# Altium PCB BalanceCar.PcbDoc (part 2 of 3)
Units mil, origin at the board's own origin, x right, y up, seen from the top; angles counter-clockwise.
Board outline 3810.03 x 2355.03 mil, 2 copper layers (Top Layer, Bottom Layer); 118 components, 87 nets, 429 pads, 218 vias.
Unrouted connection lines stored in the file: 3.
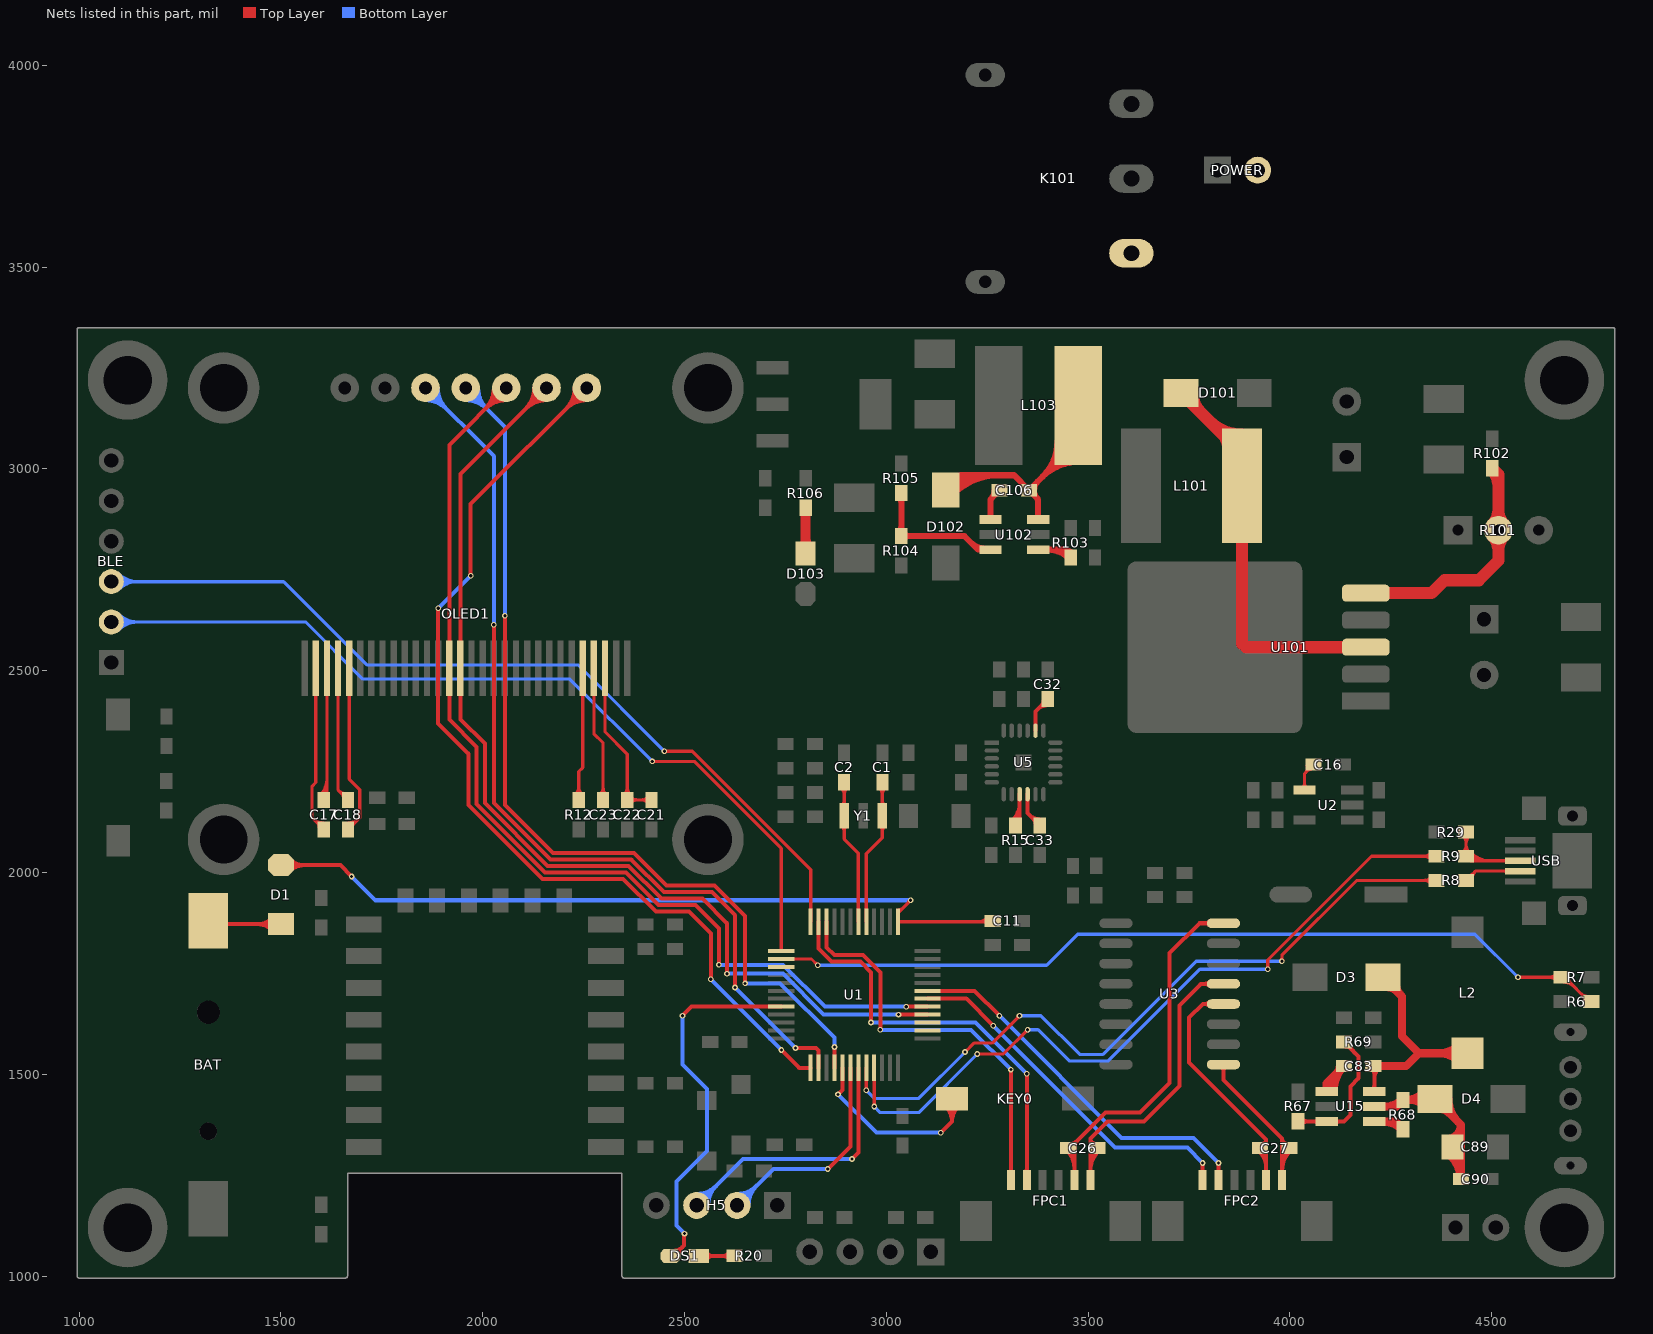
[diagram p2: the nets of this part, all layers, seen from the top]

## Via types
v1: diameter 14, hole 8, Top Layer to Bottom Layer, 171 vias
v2: diameter 28, hole 16, Top Layer to Bottom Layer, 44 vias
v3: diameter 38, hole 15, Top Layer to Bottom Layer, 1 vias
v4: diameter 56, hole 28, Top Layer to Bottom Layer, 1 vias
v5: diameter 26, hole 16, Top Layer to Bottom Layer, 1 vias

## Nets (pads, with @x,y where several pads share a name; then routed paths per layer and width w, separated by ;. In a path a pad name is that pad's centre, name@x,y a point inside that pad or via, vN(x,y) a via of type N, cw(c..) or ccw(c..) an arc to the next point about the centre after c; other vN are vias at no path point) (continued)
NetBAT_1: BAT.1 D1.1 | length 429.4
  Top Layer w10: BAT.1@1328.03,1871.97 D1.1@1500,1871.97 ; 1442.04,1871.97 cw(c1442.04,1818.93) 1479.54,1856.43 ccw(c1442.04,1818.93) 1442.04,1871.97 ; 1442.04,1871.97 ccw(c1442.04,1925.01) 1479.54,1887.5 cw(c1442.04,1925.01) 1442.04,1871.97 ; 1466.18,1871.97 cw(c1466.18,1843.07) 1486.62,1863.51 ccw(c1466.18,1843.07) 1466.18,1871.97 ; 1466.18,1871.97 ccw(c1466.18,1900.86) 1486.62,1880.43 cw(c1466.18,1900.86) 1466.18,1871.97
NetC11_1: C11.1 D1.2 U1.1 | length 2282.6
  Top Layer w8: v1(3060,1931) 3029,1900 U1.1@3029,1878 C11.1@3261.5,1878 ; 3054.88,1925.88 cw(c3060,1920.76) 3060,1928 ccw(c3060,1920.76) 3054.88,1925.88 ; 3054.88,1925.88 ccw(c3049.76,1931) 3057,1931 cw(c3049.76,1931) 3054.88,1925.88 ; U1.1@3029,1906.5 ccw(c3029,1922.19) 3040.1,1911.1 cw(c3029,1922.19) U1.1@3029,1906.5 ; 3227.12,1878 ccw(c3227.12,1911.38) 3250.72,1887.78 cw(c3227.12,1911.38) 3227.12,1878 ; 3236.77,1878 cw(c3236.77,1858.27) 3250.72,1872.22 ccw(c3236.77,1858.27) 3236.77,1878
  Top Layer w10: D1.2@1500,2018.03 1646.97,2018.03 v1(1675,1990) ; 1533.82,2018.03 cw(c1533.82,2046.93) 1513.38,2026.49 ccw(c1533.82,2046.93) 1533.82,2018.03 ; 1533.82,2018.03 ccw(c1533.82,1989.14) 1513.38,2009.57 cw(c1533.82,1989.14) 1533.82,2018.03 ; 1557.96,2018.03 cw(c1557.96,2071.07) 1520.46,2033.57 ccw(c1557.96,2071.07) 1557.96,2018.03 ; 1557.96,2018.03 ccw(c1557.96,1964.99) 1520.46,2002.5 cw(c1557.96,1964.99) 1557.96,2018.03
  Bottom Layer w10: v1(1675,1990) 1734,1931 v1(3060,1931)
NetC16_2: C16.2 U2.4 | length 183.5
  Top Layer w8: U2.4@4035.94,2204.4 4035.94,2244.44 C16.2@4058.5,2267 ; 4035.94,2220.88 cw(c4019.46,2220.88) 4031.12,2209.23 ccw(c4019.46,2220.88) 4035.94,2220.88 ; 4035.94,2220.88 ccw(c4052.43,2220.88) 4040.77,2209.23 cw(c4052.43,2220.88) 4035.94,2220.88 ; 4038.45,2246.95 ccw(c4026.09,2259.3) 4042.91,2264.02 cw(c4026.09,2259.3) 4038.45,2246.95 ; 4043.26,2251.76 cw(c4053.5,2241.51) 4053.5,2256 ccw(c4053.5,2241.51) 4043.26,2251.76
NetC17_1: C17.1 OLED1.3 | length 485.9
  Top Layer w8: C17.1@1613.91,2187.41 OLED1.3@1613.91,2506 ; 1613.91,2435.62 cw(c1623.26,2435.62) 1616.64,2442.24 ccw(c1623.26,2435.62) 1613.91,2435.62 ; 1613.91,2435.62 ccw(c1604.55,2435.62) 1611.17,2442.24 cw(c1604.55,2435.62) 1613.91,2435.62 ; C17.1@1598.22,2192.28 ccw(c1560.36,2230.14) 1613.91,2230.14 cw(c1560.36,2230.14) C17.1@1598.22,2192.28 ; C17.1@1603.88,2186.62 ccw(c1579.67,2210.83) 1613.91,2210.83 cw(c1579.67,2210.83) C17.1@1603.88,2186.62
NetC17_2: C17.2 OLED1.2 | length 554.9
  Top Layer w8: OLED1.2@1586.35,2506 1586.35,2222.85 1577,2213.5 1577,2135.5 C17.2@1606,2106.5 ; 1586.35,2435.62 cw(c1595.7,2435.62) 1589.09,2442.24 ccw(c1595.7,2435.62) 1586.35,2435.62 ; 1586.35,2435.62 ccw(c1576.99,2435.62) 1583.61,2442.24 cw(c1576.99,2435.62) 1586.35,2435.62 ; 1579.5,2133 ccw(c1604.88,2158.38) 1605.74,2122.5 cw(c1604.88,2158.38) 1579.5,2133 ; 1590.76,2121.74 cw(c1580.51,2111.5) 1595,2111.5 ccw(c1580.51,2111.5) 1590.76,2121.74 ; C17.2@1592.71,2119.79 ccw(c1605.5,2132.58) 1605.93,2114.5 cw(c1605.5,2132.58) C17.2@1592.71,2119.79
NetC18_1: C18.1 OLED1.5 | length 565.4
  Top Layer w8: C18.1@1666,2106.5 1695,2135.5 1695,2205.3 1669.02,2231.28 OLED1.5@1669.02,2506 ; 1669.02,2435.62 cw(c1678.38,2435.62) 1671.76,2442.24 ccw(c1678.38,2435.62) 1669.02,2435.62 ; 1669.02,2435.62 ccw(c1659.67,2435.62) 1666.28,2442.24 cw(c1659.67,2435.62) 1669.02,2435.62 ; C18.1@1666,2114.5 ccw(c1666,2133.81) 1679.66,2120.16 cw(c1666,2133.81) C18.1@1666,2114.5 ; C18.1@1666,2122.5 ccw(c1666,2161.13) 1693.31,2133.81 cw(c1666,2161.13) C18.1@1666,2122.5 ; C18.1@1677,2111.5 cw(c1691.49,2111.5) 1681.24,2121.74 ccw(c1691.49,2111.5) C18.1@1677,2111.5
NetC18_2: C18.2 OLED1.4 | length 432.4
  Top Layer w8: OLED1.4@1641.46,2506 1641.46,2204.04 C18.2@1666,2179.5 ; 1641.46,2435.62 cw(c1650.82,2435.62) 1644.2,2442.24 ccw(c1650.82,2435.62) 1641.46,2435.62 ; 1641.46,2435.62 ccw(c1632.11,2435.62) 1638.73,2442.24 cw(c1632.11,2435.62) 1641.46,2435.62 ; 1643.97,2201.53 ccw(c1659.89,2217.46) 1663.99,2195.32 cw(c1659.89,2217.46) 1643.97,2201.53 ; 1650.76,2194.74 cw(c1640.51,2184.5) 1655,2184.5 ccw(c1640.51,2184.5) 1650.76,2194.74
NetC21_2: C21.2 C22.2 OLED1.28 | length 689
  Top Layer w8: OLED1.28@2302.88,2506 2302.88,2348.12 2358,2293 C22.2@2358,2179.5 C21.2@2418,2179.5 ; 2302.88,2435.62 cw(c2312.23,2435.62) 2305.62,2442.24 ccw(c2312.23,2435.62) 2302.88,2435.62 ; 2302.88,2435.62 ccw(c2293.53,2435.62) 2300.14,2442.24 cw(c2293.53,2435.62) 2302.88,2435.62 ; 2358,2211.06 cw(c2331.44,2211.06) 2350.22,2192.28 ccw(c2331.44,2211.06) 2358,2211.06 ; 2358,2211.06 ccw(c2384.56,2211.06) 2365.78,2192.28 cw(c2384.56,2211.06) 2358,2211.06 ; 2384.56,2179.5 cw(c2384.56,2206.06) 2365.78,2187.28 ccw(c2384.56,2206.06) 2384.56,2179.5 ; 2384.56,2179.5 ccw(c2384.56,2152.94) 2365.78,2171.72 cw(c2384.56,2152.94) 2384.56,2179.5 ; 2391.44,2179.5 cw(c2391.44,2152.94) 2410.22,2171.72 ccw(c2391.44,2152.94) 2391.44,2179.5 ; 2391.44,2179.5 ccw(c2391.44,2206.06) 2410.22,2187.28 cw(c2391.44,2206.06) 2391.44,2179.5
NetC23_2: C23.2 OLED1.27 | length 448.7
  Top Layer w8: OLED1.27@2275.32,2506 2275.32,2343.68 2298,2321 C23.2@2298,2179.5 ; 2275.32,2435.62 cw(c2284.68,2435.62) 2278.06,2442.24 ccw(c2284.68,2435.62) 2275.32,2435.62 ; 2275.32,2435.62 ccw(c2265.97,2435.62) 2272.58,2442.24 cw(c2265.97,2435.62) 2275.32,2435.62 ; 2298,2211.06 cw(c2271.44,2211.06) 2290.22,2192.28 ccw(c2271.44,2211.06) 2298,2211.06 ; 2298,2211.06 ccw(c2324.56,2211.06) 2305.78,2192.28 cw(c2324.56,2211.06) 2298,2211.06
NetC26_1: C26.1 FPC1.6 U3.13 | length 1090.4
  Top Layer w10: FPC1.6@3505.43,1237.69 3505.43,1340.43 3548,1383 3638,1383 3725.77,1470.77 3725.77,1670.77 3779,1724 U3.13@3835.19,1724 ; 3505.43,1264.14 cw(c3493.73,1264.14) 3502,1255.88 ccw(c3493.73,1264.14) 3505.43,1264.14 ; 3505.43,1264.14 ccw(c3517.12,1264.14) 3508.85,1255.88 cw(c3517.12,1264.14) 3505.43,1264.14 ; C26.1@3518.5,1317 ccw(c3550.07,1285.43) 3505.43,1285.43 cw(c3550.07,1285.43) C26.1@3518.5,1317 ; C26.1@3518.5,1317 cw(c3518.7,1330.27) 3505.43,1330.27 ccw(c3518.7,1330.27) C26.1@3518.5,1317 ; 3789.22,1724 cw(c3789.22,1707.56) 3800.85,1719.18 ccw(c3789.22,1707.56) 3789.22,1724 ; 3789.22,1724 ccw(c3789.22,1740.44) 3800.85,1728.82 cw(c3789.22,1740.44) 3789.22,1724 ; FPC1.6@3505.43,1261.29 cw(c3574.21,1261.29) 3525.57,1309.93 ccw(c3574.21,1261.29) FPC1.6@3505.43,1261.29 ; C26.1@3505.43,1309.58 cw(c3525.92,1309.58) 3511.43,1324.07 ccw(c3525.92,1309.58) C26.1@3505.43,1309.58 ; 3505.43,1340.42 ccw(c3518.85,1340.42) 3518.65,1327 cw(c3518.85,1340.42) 3505.43,1340.42
NetC26_2: C26.2 FPC1.5 U3.16 | length 1189.6
  Top Layer w10: FPC1.5@3466.05,1237.69 3466.05,1328.06 3543,1405 3629,1405 3702,1478 3702,1800 3776,1874 U3.16@3835.19,1874 ; 3466.05,1264.14 cw(c3454.36,1264.14) 3462.63,1255.88 ccw(c3454.36,1264.14) 3466.05,1264.14 ; 3466.06,1264.14 ccw(c3477.75,1264.14) 3469.48,1255.88 cw(c3477.75,1264.14) 3466.06,1264.14 ; 3789.22,1874 cw(c3789.22,1857.56) 3800.85,1869.18 ccw(c3789.22,1857.56) 3789.22,1874 ; 3789.22,1874 ccw(c3789.22,1890.44) 3800.85,1878.82 cw(c3789.22,1890.44) 3789.22,1874 ; C26.2@3448.43,1309.93 cw(c3405.88,1267.38) 3466.05,1267.38 ccw(c3405.88,1267.38) C26.2@3448.43,1309.93 ; C26.2@3455.5,1317 cw(c3430.02,1291.52) 3466.05,1291.52 ccw(c3430.02,1291.52) C26.2@3455.5,1317 ; C26.2@3455.5,1327 ccw(c3455.5,1349.93) 3471.72,1333.72 cw(c3455.5,1349.93) C26.2@3455.5,1327 ; C26.2@3465.5,1317 cw(c3490.85,1317) 3472.92,1334.92 ccw(c3490.85,1317) C26.2@3465.5,1317
NetC27_1: C27.1 FPC2.6 U3.9 | length 728.7
  Top Layer w10: U3.9@3835.19,1524 3835.19,1485.81 3980.43,1340.57 ; FPC2.6@3980.43,1237.69 3980.43,1340.57 ; 3835.19,1507.56 cw(c3851.63,1507.56) 3840.01,1519.18 ccw(c3851.63,1507.56) 3835.19,1507.56 ; 3835.19,1507.56 ccw(c3818.75,1507.56) 3830.37,1519.18 cw(c3818.75,1507.56) 3835.19,1507.56 ; 3980.43,1264.14 cw(c3968.73,1264.14) 3977,1255.88 ccw(c3968.73,1264.14) 3980.43,1264.14 ; 3980.43,1264.14 ccw(c3992.12,1264.14) 3983.85,1255.88 cw(c3992.12,1264.14) 3980.43,1264.14 ; 3980.43,1340.57 ccw(c3994,1340.57) 3993.71,1327 cw(c3994,1340.57) 3980.43,1340.57 ; C27.1@3993.5,1317 ccw(c4025.07,1285.43) 3980.43,1285.43 cw(c4025.07,1285.43) C27.1@3993.5,1317 ; C27.1@3993.5,1317 cw(c3993.79,1330.36) 3980.43,1330.36 ccw(c3993.79,1330.36) C27.1@3993.5,1317 ; FPC2.6@3980.43,1261.29 cw(c4049.21,1261.29) 4000.57,1309.93 ccw(c4049.21,1261.29) FPC2.6@3980.43,1261.29 ; C27.1@3980.43,1309.58 cw(c4000.92,1309.58) 3986.43,1324.07 ccw(c4000.92,1309.58) C27.1@3980.43,1309.58
NetC27_2: C27.2 FPC2.5 U3.12 | length 887.6
  Top Layer w10: U3.12@3835.19,1674 3784,1674 3750,1640 3750,1529 3941.05,1337.94 ; FPC2.5@3941.05,1237.69 3941.05,1337.94 ; 3789.22,1674 cw(c3789.22,1657.56) 3800.85,1669.18 ccw(c3789.22,1657.56) 3789.22,1674 ; 3789.22,1674 ccw(c3789.22,1690.44) 3800.85,1678.82 cw(c3789.22,1690.44) 3789.22,1674 ; C27.2@3930.5,1317 cw(c3905.02,1291.52) 3941.05,1291.52 ccw(c3905.02,1291.52) C27.2@3930.5,1317 ; C27.2@3930.5,1317 ccw(c3930.3,1327.75) 3941.06,1327.75 cw(c3930.3,1327.75) C27.2@3930.5,1317 ; 3941.05,1264.14 cw(c3929.36,1264.14) 3937.63,1255.88 ccw(c3929.36,1264.14) 3941.05,1264.14 ; 3941.06,1264.14 ccw(c3952.75,1264.14) 3944.48,1255.88 cw(c3952.75,1264.14) 3941.06,1264.14 ; 3941.05,1337.94 cw(c3930.11,1337.94) 3930.31,1327 ccw(c3930.11,1337.94) 3941.05,1337.94 ; C27.2@3923.43,1309.93 cw(c3880.88,1267.38) 3941.05,1267.38 ccw(c3880.88,1267.38) C27.2@3923.43,1309.93
NetC32_2: C32.2 U5.20 | length 166.7
  Top Layer w10: U5.20@3369.53,2351.24 3369.53,2399.03 C32.2@3400,2429.5 ; 3374.39,2403.89 cw(c3400,2378.29) 3400,2414.5 ccw(c3400,2378.29) 3374.39,2403.89 ; C32.2@3386.46,2415.96 ccw(c3377.93,2424.5) 3390,2424.5 cw(c3377.93,2424.5) C32.2@3386.46,2415.96
NetC33_2: C33.2 U5.10 | length 165.6
  Top Layer w10: U5.10@3349.84,2193.76 3349.84,2146.66 C33.2@3380,2116.5 ; 3354.39,2142.11 ccw(c3380,2167.71) 3380,2131.5 cw(c3380,2167.71) 3354.39,2142.11 ; C33.2@3366.46,2130.04 cw(c3357.93,2121.5) 3370,2121.5 ccw(c3357.93,2121.5) C33.2@3366.46,2130.04
NetC83_1: C83.1 U15.1 | length 323.4
  Top Layer w20: U15.1@4090.94,1457.4 4090.94,1477.44 C83.1@4133.5,1520 ; C83.1@4133.5,1520 ccw(c4193.91,1459.59) 4108.5,1457.42 cw(c4193.91,1459.59) C83.1@4133.5,1520 ; U15.1@4088.51,1456.92 cw(c4129.63,1457.96) 4100.54,1487.04 ccw(c4129.63,1457.96) U15.1@4088.51,1456.92 ; 4116.43,1502.93 ccw(c4099.36,1520) 4123.5,1520 cw(c4099.36,1520) 4116.43,1502.93
NetC83_2: C83.2 D3.2 L2.2 U15.6 | length 1018.2
  Top Layer w10: C83.2@4206.5,1520 4209.06,1517.44 U15.6@4209.06,1457.4 ; 4209.06,1471.47 cw(c4194.99,1471.47) 4204.94,1461.52 ccw(c4194.99,1471.47) 4209.06,1471.47 ; 4209.06,1471.47 ccw(c4223.12,1471.47) 4213.18,1461.52 cw(c4223.12,1471.47) 4209.06,1471.47 ; C83.2@4204.43,1512.93 cw(c4193.26,1501.76) 4209.06,1501.76 ccw(c4193.26,1501.76) C83.2@4204.43,1512.93 ; 4209.06,1489.96 cw(c4241.54,1489.96) 4218.57,1512.93 ccw(c4241.54,1489.96) 4209.06,1489.96
  Top Layer w20: C83.2@4206.5,1520 4288,1520 4320,1552 ; D3.2@4230.55,1740 4278,1692.55 4278,1594 4320,1552 ; L2.2@4440,1552 4320,1552 ; 4369.09,1552 cw(c4369.09,1481.09) 4419.23,1531.23 ccw(c4369.09,1481.09) 4369.09,1552 ; 4369.09,1552 ccw(c4369.09,1622.91) 4419.23,1572.77 cw(c4369.09,1622.91) 4369.09,1552 ; D3.2@4239.41,1715.55 cw(c4239.41,1677.91) 4266.02,1704.53 ccw(c4239.41,1677.91) D3.2@4239.41,1715.55 ; D3.2@4263.16,1734.19 ccw(c4301.42,1724.84) 4273.57,1696.98 cw(c4301.42,1724.84) D3.2@4263.16,1734.19
NetC89_2: C89.2 C90.2 D4.2 R68.2 U15.5 | length 1281.1
  Top Layer w20: U15.5@4209.06,1420 4263.5,1420 R68.2@4280,1436.5 D4.2@4357.21,1436.5 ; D4.2@4359.45,1438.74 4423.5,1374.69 ; C90.2@4423.5,1240 4423.5,1374.69 ; 4423.5,1374.69 cw(c4387.56,1374.69) 4397.89,1340.26 ccw(c4387.56,1374.69) 4423.5,1374.69 ; U15.5@4236.55,1420 ccw(c4236.55,1475.69) 4275.94,1436.31 cw(c4236.55,1475.69) U15.5@4236.55,1420 ; 4262.93,1419.43 cw(c4280,1402.36) 4280,1426.5 ccw(c4280,1402.36) 4262.93,1419.43 ; R68.2@4286.16,1436.5 ccw(c4286.16,1503.17) 4333.3,1456.03 cw(c4286.16,1503.17) R68.2@4286.16,1436.5 ; 4296.97,1436.5 cw(c4296.97,1385.12) 4333.3,1421.45 ccw(c4296.97,1385.12) 4296.97,1436.5 ; D4.2@4368.31,1414.29 cw(c4368.31,1376.65) 4394.92,1403.27 ccw(c4368.31,1376.65) D4.2@4368.31,1414.29 ; C89.2@4391.98,1302.83 cw(c4339.57,1237.28) 4423.5,1237.28 ccw(c4339.57,1237.28) C89.2@4391.98,1302.83 ; D4.2@4392.76,1438.74 ccw(c4473.17,1438.74) 4416.31,1381.88 cw(c4473.17,1438.74) D4.2@4392.76,1438.74 ; C89.2@4403.63,1321.11 ccw(c4395.62,1347.81) 4423.5,1347.81 cw(c4395.62,1347.81) C89.2@4403.63,1321.11 ; C89.2@4404.47,1318.45 cw(c4372.83,1278.88) 4423.5,1278.88 ccw(c4372.83,1278.88) C89.2@4404.47,1318.45
NetC106_1: C106.1 U102.1 | length 103.6
  Top Layer w15: U102.1@3257.94,2874.4 3257.94,2924.44 C106.1@3280.5,2947 ; 3260.45,2926.95 ccw(c3242.1,2945.29) C106.1@3268.01,2946.62
NetC106_2: C106.2 D102.2 L103.1 U102.6 | length 1238.7
  Top Layer w15: D102.2@3144.84,2958.57 cw(c3206.24,2897.17) 3206.24,2984 ; D102.2@3147,2947.55 3183.45,2984 ; D102.2@3155.45,2947.96 cw(c3242.46,2860.95) 3242.46,2984 ; D102.2@3159.45,2980.31 ccw(c3168.93,2998.51) 3183.45,2984 ; D102.2@3166.06,2937.35 cw(c3278.67,2824.74) 3278.67,2984 ; D102.2@3173.88,2958.34 cw(c3206.75,2960.7) 3183.45,2984 ; 3332.16,2968.34 cw(c3310.82,2947) C106.2@3341,2947 ; C106.2@3365.99,2946.62 ccw(c3391.9,2945.29) 3373.55,2926.95 ; C106.2@3366,2947 cw(c3396.18,2947) 3374.84,2968.34 ; U102.6@3376.06,2874.4 3376.06,2924.44 C106.2@3353.5,2947 ; 3386.55,2980.05 cw(c3475.43,2891.17) L103.1@3475.43,3016.86 ; 3387.77,2981.27 ccw(c3300.63,3068.42) L103.1@3423.87,3068.42 ; 3412.15,3005.65 cw(c3475.43,2942.38) L103.1@3475.43,3031.86 ; 3413.38,3006.88 ccw(c3351.84,3068.42) L103.1@3438.87,3068.42 ; L103.1@3475.43,3068.93 C106.2@3353.5,2947 ; 3183.45,2984 3316.5,2984 C106.2@3353.5,2947
NetD101_1: D101.1 L101.1 U101.3 | length 1085.3
  Top Layer w30: D101.1@3730.45,3188 L101.1@3881,3037.45 ; D101.1@3758.76,3188 ccw(c3827.1,3188) 3778.77,3139.68 ; 3800.28,3118.17 ccw(c3881,3198.88) L101.1@3881,3084.73 ; L101.1@3831.84,3086.61 cw(c3795.75,3050.52) L101.1@3846.79,3050.52 ; 3881,2566 L101.1@3881,2958 ; 3891,2558 U101.3@4188.01,2558
NetD103_1: D103.1 R106.2 | length 208.3
  Top Layer w25: D103.1@2800,2790 R106.2@2800,2903.5 ; 2800,2825.18 cw(c2769.82,2825.18) 2791.16,2803.84 ccw(c2769.82,2825.18) 2800,2825.18 ; 2800,2825.18 ccw(c2830.18,2825.18) 2808.84,2803.84 cw(c2830.18,2825.18) 2800,2825.18
NetDS1_1: DS1.1 R20.2 | length 264.6
  Top Layer w10: DS1.1@2535,1049.74 R20.2@2623.24,1049.74 ; 2572.67,1049.74 cw(c2572.67,1079.92) 2551.33,1058.58 ccw(c2572.67,1079.92) 2572.67,1049.74 ; 2572.67,1049.74 ccw(c2572.67,1019.56) 2551.33,1040.9 cw(c2572.67,1019.56) 2572.67,1049.74 ; 2592.67,1049.74 ccw(c2592.67,1076.57) 2611.65,1057.6 cw(c2592.67,1076.57) 2592.67,1049.74 ; 2593.93,1049.74 cw(c2593.93,1024.68) 2611.65,1042.4 ccw(c2593.93,1024.68) 2593.93,1049.74
NetK101_1: K101.1 POWER.2
NetOLED1_26: OLED1.26 R12.2 | length 449
  Top Layer w8: R12.2@2238,2179.5 2238,2250 2247.76,2259.76 OLED1.26@2247.76,2506 ; 2238,2212.11 cw(c2209.64,2212.11) 2229.69,2192.06 ccw(c2209.64,2212.11) 2238,2212.11 ; 2238,2212.11 ccw(c2266.36,2212.11) 2246.31,2192.06 cw(c2266.36,2212.11) 2238,2212.11 ; 2247.76,2435.62 cw(c2257.12,2435.62) 2250.5,2442.24 ccw(c2257.12,2435.62) 2247.76,2435.62 ; 2247.76,2435.62 ccw(c2238.41,2435.62) 2245.02,2442.24 cw(c2238.41,2435.62) 2247.76,2435.62
NetR8_1: R8.1 USB.2 | length 248.8
  Top Layer w8: R8.1@4436.5,1980 4459.69,2003.19 ; USB.2@4570.65,2003.19 4459.69,2003.19 ; 4459.69,2003.19 ccw(c4477.86,1985.02) 4452.39,1981.57 cw(c4477.86,1985.02) 4459.69,2003.19 ; 4531.77,2003.19 cw(c4531.77,1993.84) 4538.38,2000.45 ccw(c4531.77,1993.84) 4531.77,2003.19 ; 4531.77,2003.19 ccw(c4531.77,2012.54) 4538.38,2005.93 cw(c4531.77,2012.54) 4531.77,2003.19 ; R8.1@4440.75,1991.75 ccw(c4440.75,2009.84) 4453.55,1997.05 cw(c4440.75,2009.84) R8.1@4440.75,1991.75
NetR9_1: R9.1 R29.2 USB.3 | length 629.5
  Top Layer w8: R29.2@4436.5,2100 R9.1@4436.5,2040 4447.72,2028.78 USB.3@4570.65,2028.78 ; 4436.5,2068.36 cw(c4408.14,2068.36) 4428.19,2048.31 ccw(c4408.14,2068.36) 4436.5,2068.36 ; 4436.5,2068.36 ccw(c4464.86,2068.36) 4444.81,2048.31 cw(c4464.86,2068.36) 4436.5,2068.36 ; 4436.5,2071.64 cw(c4464.86,2071.64) 4444.81,2091.69 ccw(c4464.86,2071.64) 4436.5,2071.64 ; 4436.5,2071.64 ccw(c4408.14,2071.64) 4428.19,2091.69 cw(c4408.14,2071.64) 4436.5,2071.64 ; 4531.77,2028.78 cw(c4531.77,2019.43) 4538.38,2026.04 ccw(c4531.77,2019.43) 4531.77,2028.78 ; 4531.77,2028.78 ccw(c4531.77,2038.13) 4538.38,2031.52 cw(c4531.77,2038.13) 4531.77,2028.78 ; R9.1@4437.75,2036.99 ccw(c4457.57,2056.82) 4457.57,2028.78 cw(c4457.57,2056.82) R9.1@4437.75,2036.99 ; R9.1@4443.4,2042.65 ccw(c4476.89,2076.14) 4476.89,2028.78 cw(c4476.89,2076.14) R9.1@4443.4,2042.65 ; R9.1@4449.06,2048.31 ccw(c4496.2,2095.45) 4496.2,2028.78 cw(c4496.2,2095.45) R9.1@4449.06,2048.31
NetR15_1: R15.1 U5.9 | length 219.6
  Top Layer w10: R15.1@3330.16,2126.66 U5.9@3330.16,2193.76 ; R15.1@3312.4,2128.35 ccw(c3269.53,2171.22) 3330.16,2171.22 cw(c3269.53,2171.22) R15.1@3312.4,2128.35 ; R15.1@3319.47,2121.28 ccw(c3293.67,2147.08) 3330.16,2147.08 cw(c3293.67,2147.08) R15.1@3319.47,2121.28
NetR67_1: R67.1 R69.2 U15.3 | length 596.1
  Top Layer w10: R67.1@4016.5,1382.6 U15.3@4090.94,1382.6 4133.6,1382.6 4150,1399 4150,1470 4170,1490 4170,1543.5 R69.2@4133.5,1580 ; 4060.14,1382.6 cw(c4060.14,1368.53) 4070.09,1378.48 ccw(c4060.14,1368.53) 4060.14,1382.6 ; 4060.15,1382.6 ccw(c4060.15,1396.66) 4070.09,1386.72 cw(c4060.15,1396.66) 4060.15,1382.6 ; 4121.74,1382.6 cw(c4121.74,1396.67) 4111.8,1386.72 ccw(c4121.74,1396.67) 4121.74,1382.6 ; 4121.74,1382.6 ccw(c4121.74,1368.53) 4111.8,1378.48 cw(c4121.74,1368.53) 4121.74,1382.6 ; R67.1@4027.6,1375.9 cw(c4043.77,1359.73) 4043.77,1382.6 ccw(c4043.77,1359.73) R67.1@4027.6,1375.9 ; R67.1@4027.6,1391.1 ccw(c4048.12,1411.62) 4048.12,1382.6 cw(c4048.12,1411.62) R67.1@4027.6,1391.1 ; R69.2@4137.75,1569.25 cw(c4137.75,1553.57) 4148.84,1564.66 ccw(c4137.75,1553.57) R69.2@4137.75,1569.25 ; R69.2@4148.5,1580 ccw(c4184.71,1580) 4159.11,1554.39 cw(c4184.71,1580) R69.2@4148.5,1580
NetR68_1: R68.1 U15.4 | length 217.9
  Top Layer w20: U15.4@4209.06,1382.6 4260.9,1382.6 R68.1@4280,1363.5 ; U15.4@4230.28,1382.6 cw(c4230.28,1318.03) 4275.94,1363.69 ccw(c4230.28,1318.03) U15.4@4230.28,1382.6 ; 4263.03,1380.47 ccw(c4279.86,1397.3) 4279.97,1373.5 cw(c4279.86,1397.3) 4263.03,1380.47
NetR101_2: R101.2 R102.1 U101.5 | length 794.7
  Top Layer w30: U101.5@4188.01,2691.86 4350.86,2691.86 4383,2724 4468,2724 4516.35,2772.35 R101.2@4516.35,2848 4516.35,2986.15 R102.1@4501,3001.5 ; R102.1@4500.47,2996.72 cw(c4462.14,2958.39) 4516.35,2958.39 ; R101.2@4501.9,2833.55 cw(c4467.02,2798.67) 4516.35,2798.67 cw(c4565.68,2798.67) R101.2@4530.79,2833.55 ; R101.2@4501.9,2862.45 ccw(c4467.02,2897.33) 4516.35,2897.33 ccw(c4565.68,2897.33) R101.2@4530.79,2862.45
NetR103_1: R103.1 U102.4 | length 204.7
  Top Layer w15: U102.4@3376.06,2799.6 3437.9,2799.6 R103.1@3457,2780.5 ; U102.4@3401.24,2799.6 cw(c3401.24,2729) R103.1@3451.17,2778.92 ; 3437.46,2799.6 cw(c3437.46,2765.21) R103.1@3461.77,2789.53 ; 3440.03,2797.47 ccw(c3452.02,2809.47) 3455.37,2792.84 cw(c3452.02,2809.47) 3440.03,2797.47
NetR104_1: R104.1 R105.2 U102.3 | length 594.6
  Top Layer w15: R105.2@3037,2940.5 R104.1@3037,2833.5 3193.5,2833.5 3227.4,2799.6 U102.3@3257.94,2799.6 ; 3037,2857.66 cw(c3017.09,2857.66) 3031.17,2843.58 ccw(c3017.09,2857.66) 3037,2857.66 ; 3037,2857.66 ccw(c3056.91,2857.66) 3042.83,2843.58 cw(c3056.91,2857.66) 3037,2857.66 ; 3037,2916.34 cw(c3056.91,2916.34) 3042.83,2930.42 ccw(c3056.91,2916.34) 3037,2916.34 ; 3037,2916.34 ccw(c3017.09,2916.34) 3031.17,2930.42 cw(c3017.09,2916.34) 3037,2916.34 ; 3056.91,2833.5 cw(c3056.91,2853.41) 3042.83,2839.33 ccw(c3056.91,2853.41) 3056.91,2833.5 ; 3056.91,2833.5 ccw(c3056.91,2813.59) 3042.83,2827.67 cw(c3056.91,2813.59) 3056.91,2833.5 ; 3211.96,2815.04 ccw(c3241.21,2844.3) 3241.21,2802.93 cw(c3241.21,2844.3) 3211.96,2815.04
OLED_CS: OLED1.13@2258,3200.45 U1.25 | length 2787.4
  Top Layer w10: v1(1889.5,2654.5) 1889.5,2369.5 1965,2294 1965,2166.49 2147.49,1984 2348,1984 2429,1903 2511,1903 2565,1849 v1(2565,1735) ; v1(1970,2735) 1970,2912.45 OLED1.13@2258,3200.45 ; v1(2740,1560) 2784.2,1515.8 U1.25@2812.46,1515.8 ; 2206.05,3148.5 cw(c2258,3096.54) 2258,3170.02 ccw(c2258,3096.54) 2206.05,3148.5 ; 2206.05,3148.5 ccw(c2154.1,3200.45) 2227.57,3200.45 cw(c2154.1,3200.45) 2206.05,3148.5 ; 2223.12,3165.57 cw(c2258,3130.69) 2258,3180.02 ccw(c2258,3130.69) 2223.12,3165.57 ; 2223.12,3165.57 ccw(c2188.24,3200.45) 2237.57,3200.45 cw(c2188.24,3200.45) 2223.12,3165.57
  Bottom Layer w10: v1(1889.5,2654.5) v1(1970,2735) ; v1(2565,1735) v1(2740,1560)
OLED_D0: OLED1.18@1858,3200.45 U1.26 | length 2691
  Top Layer w10: v1(2027.29,2613.71) 2027.29,2172.08 2167.37,2032 2367.88,2032 2448.88,1951 2567.88,1951 2625,1893.88 v1(2625,1715) ; v1(2775,1565) 2826,1565 2832.15,1558.85 U1.26@2832.15,1515.8
  Bottom Layer w10: OLED1.18@1858,3200.45 2027.29,3031.16 v1(2027.29,2613.71) ; v1(2625,1715) v1(2775,1565) ; 1892.88,3165.57 cw(c1927.76,3200.45) 1878.43,3200.45 ccw(c1927.76,3200.45) 1892.88,3165.57 ; 1892.88,3165.57 ccw(c1858,3130.69) 1858,3180.02 cw(c1858,3130.69) 1892.88,3165.57 ; 1909.95,3148.5 cw(c1961.9,3200.45) 1888.43,3200.45 ccw(c1961.9,3200.45) 1909.95,3148.5 ; 1909.95,3148.5 ccw(c1858,3096.54) 1858,3170.02 cw(c1858,3096.54) 1909.95,3148.5
OLED_D1: OLED1.19@1958,3200.45 U1.28 | length 2687
  Top Layer w10: v1(2054.85,2636.15) 2054.85,2167.15 2174,2048 2374.51,2048 2455.51,1967 2574.51,1967 2650,1891.51 v1(2650,1725) ; U1.28@2871.52,1515.8 v1(2871.52,1567.48)
  Bottom Layer w10: OLED1.19@1958,3200.45 2054.85,3103.6 v1(2054.85,2636.15) ; v1(2650,1725) 2737,1725 2871.52,1590.48 v1(2871.52,1567.48) ; 1992.88,3165.57 cw(c2027.76,3200.45) 1978.43,3200.45 ccw(c2027.76,3200.45) 1992.88,3165.57 ; 1992.88,3165.57 ccw(c1958,3130.69) 1958,3180.02 cw(c1958,3130.69) 1992.88,3165.57 ; 2009.95,3148.5 cw(c2061.9,3200.45) 1988.43,3200.45 ccw(c2061.9,3200.45) 2009.95,3148.5 ; 2009.95,3148.5 ccw(c1958,3096.54) 1958,3170.02 cw(c1958,3096.54) 2009.95,3148.5
OLED_DC: OLED1.15 U1.40 | length 2915
  Top Layer w10: OLED1.15@2158,3200.45 1944.61,2987.06 OLED1.15@1944.61,2506 1944.61,2379.39 2005,2319 2005,2171.75 2160.75,2016 2361.25,2016 2442.25,1935 2544,1935 2605,1874 v1(2605,1749) ; v1(3030,1647.68) U1.40@3101.83,1647.68 ; 2106.05,3148.5 cw(c2158,3096.54) 2158,3170.02 ccw(c2158,3096.54) 2106.05,3148.5 ; 2106.05,3148.5 ccw(c2054.1,3200.45) 2127.57,3200.45 cw(c2054.1,3200.45) 2106.05,3148.5 ; 2123.12,3165.57 cw(c2158,3130.69) 2158,3180.02 ccw(c2158,3130.69) 2123.12,3165.57 ; 2123.12,3165.57 ccw(c2088.24,3200.45) 2137.57,3200.45 cw(c2088.24,3200.45) 2123.12,3165.57
  Bottom Layer w10: v1(2605,1749) 2743.37,1749 2844.69,1647.68 v1(3030,1647.68)
OLED_RST: OLED1.14 U1.41 | length 2881
  Top Layer w10: OLED1.14@2058,3200.45 1917.06,3059.5 OLED1.14@1917.06,2506 1917.06,2378.66 1985,2310.72 1985,2169.12 2154.12,2000 2354.63,2000 2435.63,1919 2527,1919 2585,1861 v1(2585,1771) ; v1(3049,1667.37) U1.41@3101.83,1667.37 ; 2006.05,3148.5 cw(c2058,3096.54) 2058,3170.02 ccw(c2058,3096.54) 2006.05,3148.5 ; 2006.05,3148.5 ccw(c1954.1,3200.45) 2027.57,3200.45 cw(c1954.1,3200.45) 2006.05,3148.5 ; 2023.12,3165.57 cw(c2058,3130.69) 2058,3180.02 ccw(c2058,3130.69) 2023.12,3165.57 ; 2023.12,3165.57 ccw(c1988.24,3200.45) 2037.57,3200.45 cw(c1988.24,3200.45) 2023.12,3165.57
  Bottom Layer w10: v1(2585,1771) 2744,1771 2847.63,1667.37 v1(3049,1667.37)
OSC_IN: C1.2 U1.5 Y1.1 | length 563.9
  Top Layer w8: U1.5@2950.26,1878 2950.26,2046.26 2990,2086 Y1.1@2990,2140 C1.2@2990,2223.5 ; 2990,2101.46 cw(c3008.86,2101.46) 2995.52,2114.79 ccw(c3008.86,2101.46) 2990,2101.46 ; 2990,2101.46 ccw(c2971.14,2101.46) 2984.48,2114.79 cw(c2971.14,2101.46) 2990,2101.46 ; 2990,2178.54 cw(c2971.14,2178.54) 2984.48,2165.21 ccw(c2971.14,2178.54) 2990,2178.54 ; 2990,2178.54 ccw(c3008.86,2178.54) 2995.52,2165.21 cw(c3008.86,2178.54) 2990,2178.54 ; 2990,2191.94 cw(c3016.56,2191.94) 2997.78,2210.72 ccw(c3016.56,2191.94) 2990,2191.94 ; 2990,2191.94 ccw(c2963.44,2191.94) 2982.22,2210.72 cw(c2963.44,2191.94) 2990,2191.94
OSC_OUT: C2.2 U1.6 Y1.3 | length 561.9
  Top Layer w8: C2.2@2895.51,2223.5 Y1.3@2895.51,2140 2895.51,2082.49 2930.57,2047.43 U1.6@2930.57,1878 ; 2895.51,2101.46 cw(c2914.37,2101.46) 2901.04,2114.79 ccw(c2914.37,2101.46) 2895.51,2101.46 ; 2895.51,2101.46 ccw(c2876.65,2101.46) 2889.99,2114.79 cw(c2876.65,2101.46) 2895.51,2101.46 ; 2895.51,2178.54 cw(c2876.65,2178.54) 2889.99,2165.21 ccw(c2876.65,2178.54) 2895.51,2178.54 ; 2895.51,2178.54 ccw(c2914.37,2178.54) 2901.04,2165.21 cw(c2914.37,2178.54) 2895.51,2178.54 ; 2895.51,2191.94 cw(c2922.07,2191.94) 2903.29,2210.72 ccw(c2922.07,2191.94) 2895.51,2191.94 ; 2895.51,2191.94 ccw(c2868.96,2191.94) 2887.73,2210.72 cw(c2868.96,2191.94) 2895.51,2191.94
PA0: FPC1.1 U1.10 | length 1034.6
  Top Layer w10: U1.10@2851.83,1878 2851.83,1814.17 2871,1795 2942,1795 2985,1752 v1@2985,1615 ; FPC1.1@3308.57,1237.69 v1(3308.57,1511.43) ; 3308.57,1264.14 cw(c3296.88,1264.14) 3305.15,1255.88 ccw(c3296.88,1264.14) 3308.57,1264.14 ; 3308.57,1264.14 ccw(c3320.27,1264.14) 3312,1255.88 cw(c3320.27,1264.14) 3308.57,1264.14
  Bottom Layer w10: v1(2985,1610) 3210,1610 v1(3308.57,1511.43)
PA1: FPC1.2 U1.11 | length 1084
  Top Layer w10: U1.11@2832.15,1878 2832.15,1811.22 2864.37,1779 2935.37,1779 2962,1752.37 v1(2962,1628) ; FPC1.2@3347.94,1237.69 v1(3347.94,1501.06) ; 3347.94,1264.14 cw(c3336.25,1264.14) 3344.52,1255.88 ccw(c3336.25,1264.14) 3347.94,1264.14 ; 3347.94,1264.14 ccw(c3359.64,1264.14) 3351.37,1255.88 cw(c3359.64,1264.14) 3347.94,1264.14
  Bottom Layer w10: v1(2962,1628) 3221,1628 v1(3347.94,1501.06)
PA2: BLE.3 U1.12 | length 2551.4
  Top Layer w8: v1(2450,2300) 2518.8,2300 2812.46,2006.33 U1.12@2812.46,1878 ; 2457.24,2300 cw(c2457.24,2307.24) 2452.12,2302.12 ccw(c2457.24,2307.24) 2457.24,2300 ; 2457.24,2300 ccw(c2457.24,2292.76) 2452.12,2297.88 cw(c2457.24,2292.76) 2457.24,2300
  Bottom Layer w8: BLE.3@1079.58,2720.43 1506.58,2720.43 1713,2514 2236,2514 v1(2450,2300) ; 1125.45,2720.42 cw(c1125.45,2766.3) 1093.01,2733.86 ccw(c1125.45,2766.3) 1125.45,2720.42 ; 1125.45,2720.43 ccw(c1125.45,2674.55) 1093.01,2706.99 cw(c1125.45,2674.55) 1125.45,2720.43 ; 1144.76,2720.43 cw(c1144.76,2785.61) 1098.67,2739.52 ccw(c1144.76,2785.61) 1144.76,2720.43 ; 1144.76,2720.42 ccw(c1144.76,2655.24) 1098.67,2701.33 cw(c1144.76,2655.24) 1144.76,2720.42 ; 2444.88,2305.12 cw(c2439.76,2300) 2447,2300 ccw(c2439.76,2300) 2444.88,2305.12 ; 2444.88,2305.12 ccw(c2450,2310.24) 2450,2303 cw(c2450,2310.24) 2444.88,2305.12
PA3: BLE.2 U1.13 | length 2541
  Top Layer w8: v1(2420,2275) 2524,2275 2739.63,2059.37 U1.13@2739.63,1805.17 ; 2427.24,2275 cw(c2427.24,2282.24) 2422.12,2277.12 ccw(c2427.24,2282.24) 2427.24,2275 ; 2427.24,2275 ccw(c2427.24,2267.76) 2422.12,2272.88 cw(c2427.24,2267.76) 2427.24,2275
  Bottom Layer w8: BLE.2@1079.58,2620.43 1561.58,2620.43 1703,2479 2216,2479 v1(2420,2275) ; 1125.45,2620.42 cw(c1125.45,2666.3) 1093.01,2633.86 ccw(c1125.45,2666.3) 1125.45,2620.42 ; 1125.45,2620.43 ccw(c1125.45,2574.55) 1093.01,2606.99 cw(c1125.45,2574.55) 1125.45,2620.43 ; 1144.76,2620.43 cw(c1144.76,2685.61) 1098.67,2639.52 ccw(c1144.76,2685.61) 1144.76,2620.43 ; 1144.76,2620.42 ccw(c1144.76,2555.24) 1098.67,2601.33 cw(c1144.76,2555.24) 1144.76,2620.42 ; 2414.88,2280.12 cw(c2409.76,2275) 2417,2275 ccw(c2409.76,2275) 2414.88,2280.12 ; 2414.88,2280.12 ccw(c2420,2285.24) 2420,2278 cw(c2420,2285.24) 2414.88,2280.12
PA4: R6.2 R7.1 U1.14 | length 2467.2
  Top Layer w8: U1.14@2739.63,1785.48 2814.52,1785.48 v1(2830,1770) ; v1(4565,1740) R7.1@4673.5,1740 4681,1740 R6.2@4741,1680 ; 2824.88,1775.12 cw(c2819.76,1770) 2827,1770 ccw(c2819.76,1770) 2824.88,1775.12 ; 2824.88,1775.12 ccw(c2830,1780.24) 2830,1773 cw(c2830,1780.24) 2824.88,1775.12 ; 4572.24,1740 cw(c4572.24,1747.24) 4567.12,1742.12 ccw(c4572.24,1747.24) 4572.24,1740 ; 4572.24,1740 ccw(c4572.24,1732.76) 4567.12,1737.88 cw(c4572.24,1732.76) 4572.24,1740 ; 4640.89,1740 cw(c4640.89,1711.64) 4660.94,1731.69 ccw(c4640.89,1711.64) 4640.89,1740 ; 4640.89,1740 ccw(c4640.89,1768.36) 4660.94,1748.31 cw(c4640.89,1768.36) 4640.89,1740 ; R7.1@4677.75,1728.25 cw(c4677.75,1692.05) 4703.35,1717.65 ccw(c4677.75,1692.05) R7.1@4677.75,1728.25 ; R7.1@4689.5,1740 ccw(c4710.02,1740) 4695.51,1725.49 cw(c4710.02,1740) R7.1@4689.5,1740 ; 4720.06,1700.94 ccw(c4742.25,1723.12) 4742.25,1691.75 cw(c4742.25,1723.12) 4720.06,1700.94 ; 4723.08,1697.92 cw(c4705.15,1680) 4730.5,1680 ccw(c4705.15,1680) 4723.08,1697.92
  Bottom Layer w8: v1(2830,1770) 3397,1770 3474,1847 4458,1847 v1(4565,1740) ; 2837.24,1770 cw(c2837.24,1777.24) 2832.12,1772.12 ccw(c2837.24,1777.24) 2837.24,1770 ; 2837.24,1770 ccw(c2837.24,1762.76) 2832.12,1767.88 cw(c2837.24,1762.76) 2837.24,1770 ; 4559.88,1745.12 cw(c4554.76,1740) 4562,1740 ccw(c4554.76,1740) 4559.88,1745.12 ; 4559.88,1745.12 ccw(c4565,1750.24) 4565,1743 cw(c4565,1750.24) 4559.88,1745.12
PA5: U1.15
PA8: KEY0.1 U1.29 | length 736.2
  Top Layer w10: v1(2880,1450) 2891.2,1461.2 U1.29@2891.2,1515.8 ; v1(3135,1355) 3162.69,1382.69 ; KEY0.1@3162.69,1439.21 3162.69,1382.69 ; 3162.69,1382.69 cw(c3215.56,1382.69) 3179.44,1421.3 ccw(c3215.56,1382.69) 3162.69,1382.69 ; 3162.69,1382.69 ccw(c3109.82,1382.69) 3145.93,1421.3 cw(c3109.82,1382.69) 3162.69,1382.69 ; 3162.69,1405.73 cw(c3194,1405.73) 3172.61,1428.6 ccw(c3194,1405.73) 3162.69,1405.73 ; 3162.69,1405.73 ccw(c3131.37,1405.73) 3152.76,1428.6 cw(c3131.37,1405.73) 3162.69,1405.73
  Bottom Layer w10: v1(2880,1450) 2975,1355 v1(3135,1355)
PA9: H5.2 U1.30 | length 892.2
  Top Layer w10: v1(2855,1265) 2910.89,1320.89 U1.30@2910.89,1515.8
  Bottom Layer w10: H5.2@2630,1175 2720,1265 v1(2855,1265) ; 2661.52,1206.52 cw(c2630,1238.04) 2630,1193.46 ccw(c2630,1238.04) 2661.52,1206.52 ; 2661.52,1206.52 ccw(c2693.04,1175) 2648.46,1175 cw(c2693.04,1175) 2661.52,1206.52 ; 2678.59,1223.59 cw(c2630,1272.18) 2630,1203.46 ccw(c2630,1272.18) 2678.59,1223.59 ; 2678.59,1223.59 ccw(c2727.18,1175) 2658.46,1175 cw(c2727.18,1175) 2678.59,1223.59
PA10: H5.3 U1.31 | length 1020.8
  Top Layer w10: v1(2915,1290) 2930.57,1305.57 U1.31@2930.57,1515.8
  Bottom Layer w10: H5.3@2530,1175 2645,1290 v1(2915,1290) ; 2561.52,1206.52 cw(c2530,1238.04) 2530,1193.46 ccw(c2530,1238.04) 2561.52,1206.52 ; 2561.52,1206.52 ccw(c2593.04,1175) 2548.46,1175 cw(c2593.04,1175) 2561.52,1206.52 ; 2578.59,1223.59 cw(c2530,1272.18) 2530,1203.46 ccw(c2530,1272.18) 2578.59,1223.59 ; 2578.59,1223.59 ccw(c2627.18,1175) 2558.46,1175 cw(c2627.18,1175) 2578.59,1223.59
PA11: R8.2 U1.32 | length 2060.2
  Top Layer w8: v1@2950.26,1460.26 U1.32@2950.26,1515.8 ; v1(3195,1555) 3217,1577 3262,1577 v1(3330,1645) ; v1(3980,1780) 3980,1795 4165,1980 R8.2@4363.5,1980 ; 2950.26,1467.24 cw(c2943.02,1467.24) 2948.14,1462.12 ccw(c2943.02,1467.24) 2950.26,1467.24 ; 2950.26,1467.24 ccw(c2957.5,1467.24) 2952.38,1462.12 cw(c2957.5,1467.24) 2950.26,1467.24 ; 3200.12,1560.12 cw(c3195,1565.24) 3195,1558 ccw(c3195,1565.24) 3200.12,1560.12 ; 3200.12,1560.12 ccw(c3205.24,1555) 3198,1555 cw(c3205.24,1555) 3200.12,1560.12 ; 3324.88,1639.88 cw(c3330,1634.76) 3330,1642 ccw(c3330,1634.76) 3324.88,1639.88 ; 3324.88,1639.88 ccw(c3319.76,1645) 3327,1645 cw(c3319.76,1645) 3324.88,1639.88 ; 3980,1787.24 cw(c3972.76,1787.24) 3977.88,1782.12 ccw(c3972.76,1787.24) 3980,1787.24 ; 3980,1787.24 ccw(c3987.24,1787.24) 3982.12,1782.12 cw(c3987.24,1787.24) 3980,1787.24 ; 4330.89,1980 cw(c4330.89,1951.64) 4350.94,1971.69 ccw(c4330.89,1951.64) 4330.89,1980 ; 4330.89,1980 ccw(c4330.89,2008.36) 4350.94,1988.31 cw(c4330.89,2008.36) 4330.89,1980
  Bottom Layer w8: v1(2950.26,1460) 2970.26,1440 3080,1440 v1(3195,1555) ; v1(3330,1645) 3383,1645 3479,1549 3537,1549 3768,1780 v1(3980,1780) ; 2955.38,1454.88 cw(c2960.5,1460) 2953.26,1460 ccw(c2960.5,1460) 2955.38,1454.88 ; 2955.38,1454.88 ccw(c2950.26,1449.76) 2950.26,1457 cw(c2950.26,1449.76) 2955.38,1454.88 ; 3189.88,1549.88 cw(c3195,1544.76) 3195,1552 ccw(c3195,1544.76) 3189.88,1549.88 ; 3189.88,1549.88 ccw(c3184.76,1555) 3192,1555 cw(c3184.76,1555) 3189.88,1549.88 ; 3337.24,1645 cw(c3337.24,1652.24) 3332.12,1647.12 ccw(c3337.24,1652.24) 3337.24,1645 ; 3337.24,1645 ccw(c3337.24,1637.76) 3332.12,1642.88 cw(c3337.24,1637.76) 3337.24,1645 ; 3972.76,1780 cw(c3972.76,1772.76) 3977.88,1777.88 ccw(c3972.76,1772.76) 3972.76,1780 ; 3972.76,1780 ccw(c3972.76,1787.24) 3977.88,1782.12 cw(c3972.76,1787.24) 3972.76,1780
PA12: R9.2 U1.33 | length 2107
  Top Layer w8: v1(2969.94,1420.06) U1.33@2969.94,1515.8 ; 2969.94,1440.06 2970,1440 ; v1(3225,1550) 3290,1550 v1(3350,1610) ; v1(3945,1760) 3945,1783 4202,2040 R9.2@4363.5,2040 ; 2969.94,1427.3 cw(c2962.7,1427.3) 2967.82,1422.18 ccw(c2962.7,1427.3) 2969.94,1427.3 ; 2969.94,1427.3 ccw(c2977.19,1427.3) 2972.07,1422.18 cw(c2977.19,1427.3) 2969.94,1427.3 ; 3232.24,1550 cw(c3232.24,1557.24) 3227.12,1552.12 ccw(c3232.24,1557.24) 3232.24,1550 ; 3232.24,1550 ccw(c3232.24,1542.76) 3227.12,1547.88 cw(c3232.24,1542.76) 3232.24,1550 ; 3344.88,1604.88 cw(c3350,1599.76) 3350,1607 ccw(c3350,1599.76) 3344.88,1604.88 ; 3344.88,1604.88 ccw(c3339.76,1610) 3347,1610 cw(c3339.76,1610) 3344.88,1604.88 ; 3945,1767.24 cw(c3937.76,1767.24) 3942.88,1762.12 ccw(c3937.76,1767.24) 3945,1767.24 ; 3945,1767.24 ccw(c3952.24,1767.24) 3947.12,1762.12 cw(c3952.24,1767.24) 3945,1767.24 ; 4330.89,2040 cw(c4330.89,2011.64) 4350.94,2031.69 ccw(c4330.89,2011.64) 4330.89,2040 ; 4330.89,2040 ccw(c4330.89,2068.36) 4350.94,2048.31 cw(c4330.89,2068.36) 4330.89,2040
  Bottom Layer w8: v1(2969.94,1420.06) 2985,1405 3080,1405 v1(3225,1550) ; v1(3350,1610) 3376,1610 3453,1533 3550,1533 3777,1760 v1(3945,1760) ; 2975.07,1414.93 cw(c2980.19,1420.06) 2972.94,1420.06 ccw(c2980.19,1420.06) 2975.07,1414.93 ; 2975.07,1414.93 ccw(c2969.94,1409.81) 2969.94,1417.06 cw(c2969.94,1409.81) 2975.07,1414.93 ; 3219.88,1544.88 cw(c3225,1539.76) 3225,1547 ccw(c3225,1539.76) 3219.88,1544.88 ; 3219.88,1544.88 ccw(c3214.76,1550) 3222,1550 cw(c3214.76,1550) 3219.88,1544.88 ; 3357.24,1610 cw(c3357.24,1617.24) 3352.12,1612.12 ccw(c3357.24,1617.24) 3357.24,1610 ; 3357.24,1610 ccw(c3357.24,1602.76) 3352.12,1607.88 cw(c3357.24,1602.76) 3357.24,1610 ; 3937.76,1760 cw(c3937.76,1752.76) 3942.88,1757.88 ccw(c3937.76,1752.76) 3937.76,1760 ; 3937.76,1760 ccw(c3937.76,1767.24) 3942.88,1762.12 cw(c3937.76,1767.24) 3937.76,1760
PA15: U1.38
PB2: DS1.2 U1.20 | length 1033.3
  Top Layer w10: DS1.2@2472.74,1049.74 2499,1076 2499,1104 v1(2500,1105) ; v1(2495,1645) 2517.37,1667.37 U1.20@2739.63,1667.37 ; DS1.2@2472.5,1062.24 ccw(c2472.5,1093.01) 2494.25,1071.25 cw(c2472.5,1093.01) DS1.2@2472.5,1062.24 ; DS1.2@2485,1049.74 cw(c2514.58,1049.74) 2493.66,1070.66 ccw(c2514.58,1049.74) DS1.2@2485,1049.74 ; 2499,1097.75 cw(c2507.25,1097.75) 2501.41,1103.59 ccw(c2507.25,1097.75) 2499,1097.75
  Bottom Layer w10: v1(2495,1645) 2495,1524 2556,1463 2556,1310 2480,1234 2480,1125 v1(2500,1105)
PB3: U1.39
PB6: FPC2.1 U1.42 | length 929.4
  Top Layer w10: U1.42@3101.83,1687.06 3197.94,1687.06 v1(3265,1620) ; FPC2.1@3783.57,1237.69 v1(3783.57,1280) ; 3783.57,1264.14 cw(c3771.88,1264.14) 3780.15,1255.88 ccw(c3771.88,1264.14) 3783.57,1264.14 ; 3783.57,1264.14 ccw(c3795.27,1264.14) 3787,1255.88 cw(c3795.27,1264.14) 3783.57,1264.14
  Bottom Layer w10: v1(3265,1620) 3567,1318 3745.57,1318 v1(3783.57,1280)
PB7: FPC2.2 U1.43 | length 976.9
  Top Layer w10: U1.43@3101.83,1706.74 3218.26,1706.74 v1(3280,1645) ; FPC2.2@3822.94,1237.69 v1(3822.94,1280) ; 3822.94,1264.14 cw(c3811.25,1264.14) 3819.52,1255.88 ccw(c3811.25,1264.14) 3822.94,1264.14 ; 3822.94,1264.14 ccw(c3834.64,1264.14) 3826.37,1255.88 cw(c3834.64,1264.14) 3822.94,1264.14
  Bottom Layer w10: v1(3280,1645) 3583,1342 3760.94,1342 v1(3822.94,1280)